# Allegro board mini_trx_layout.brd (continued)
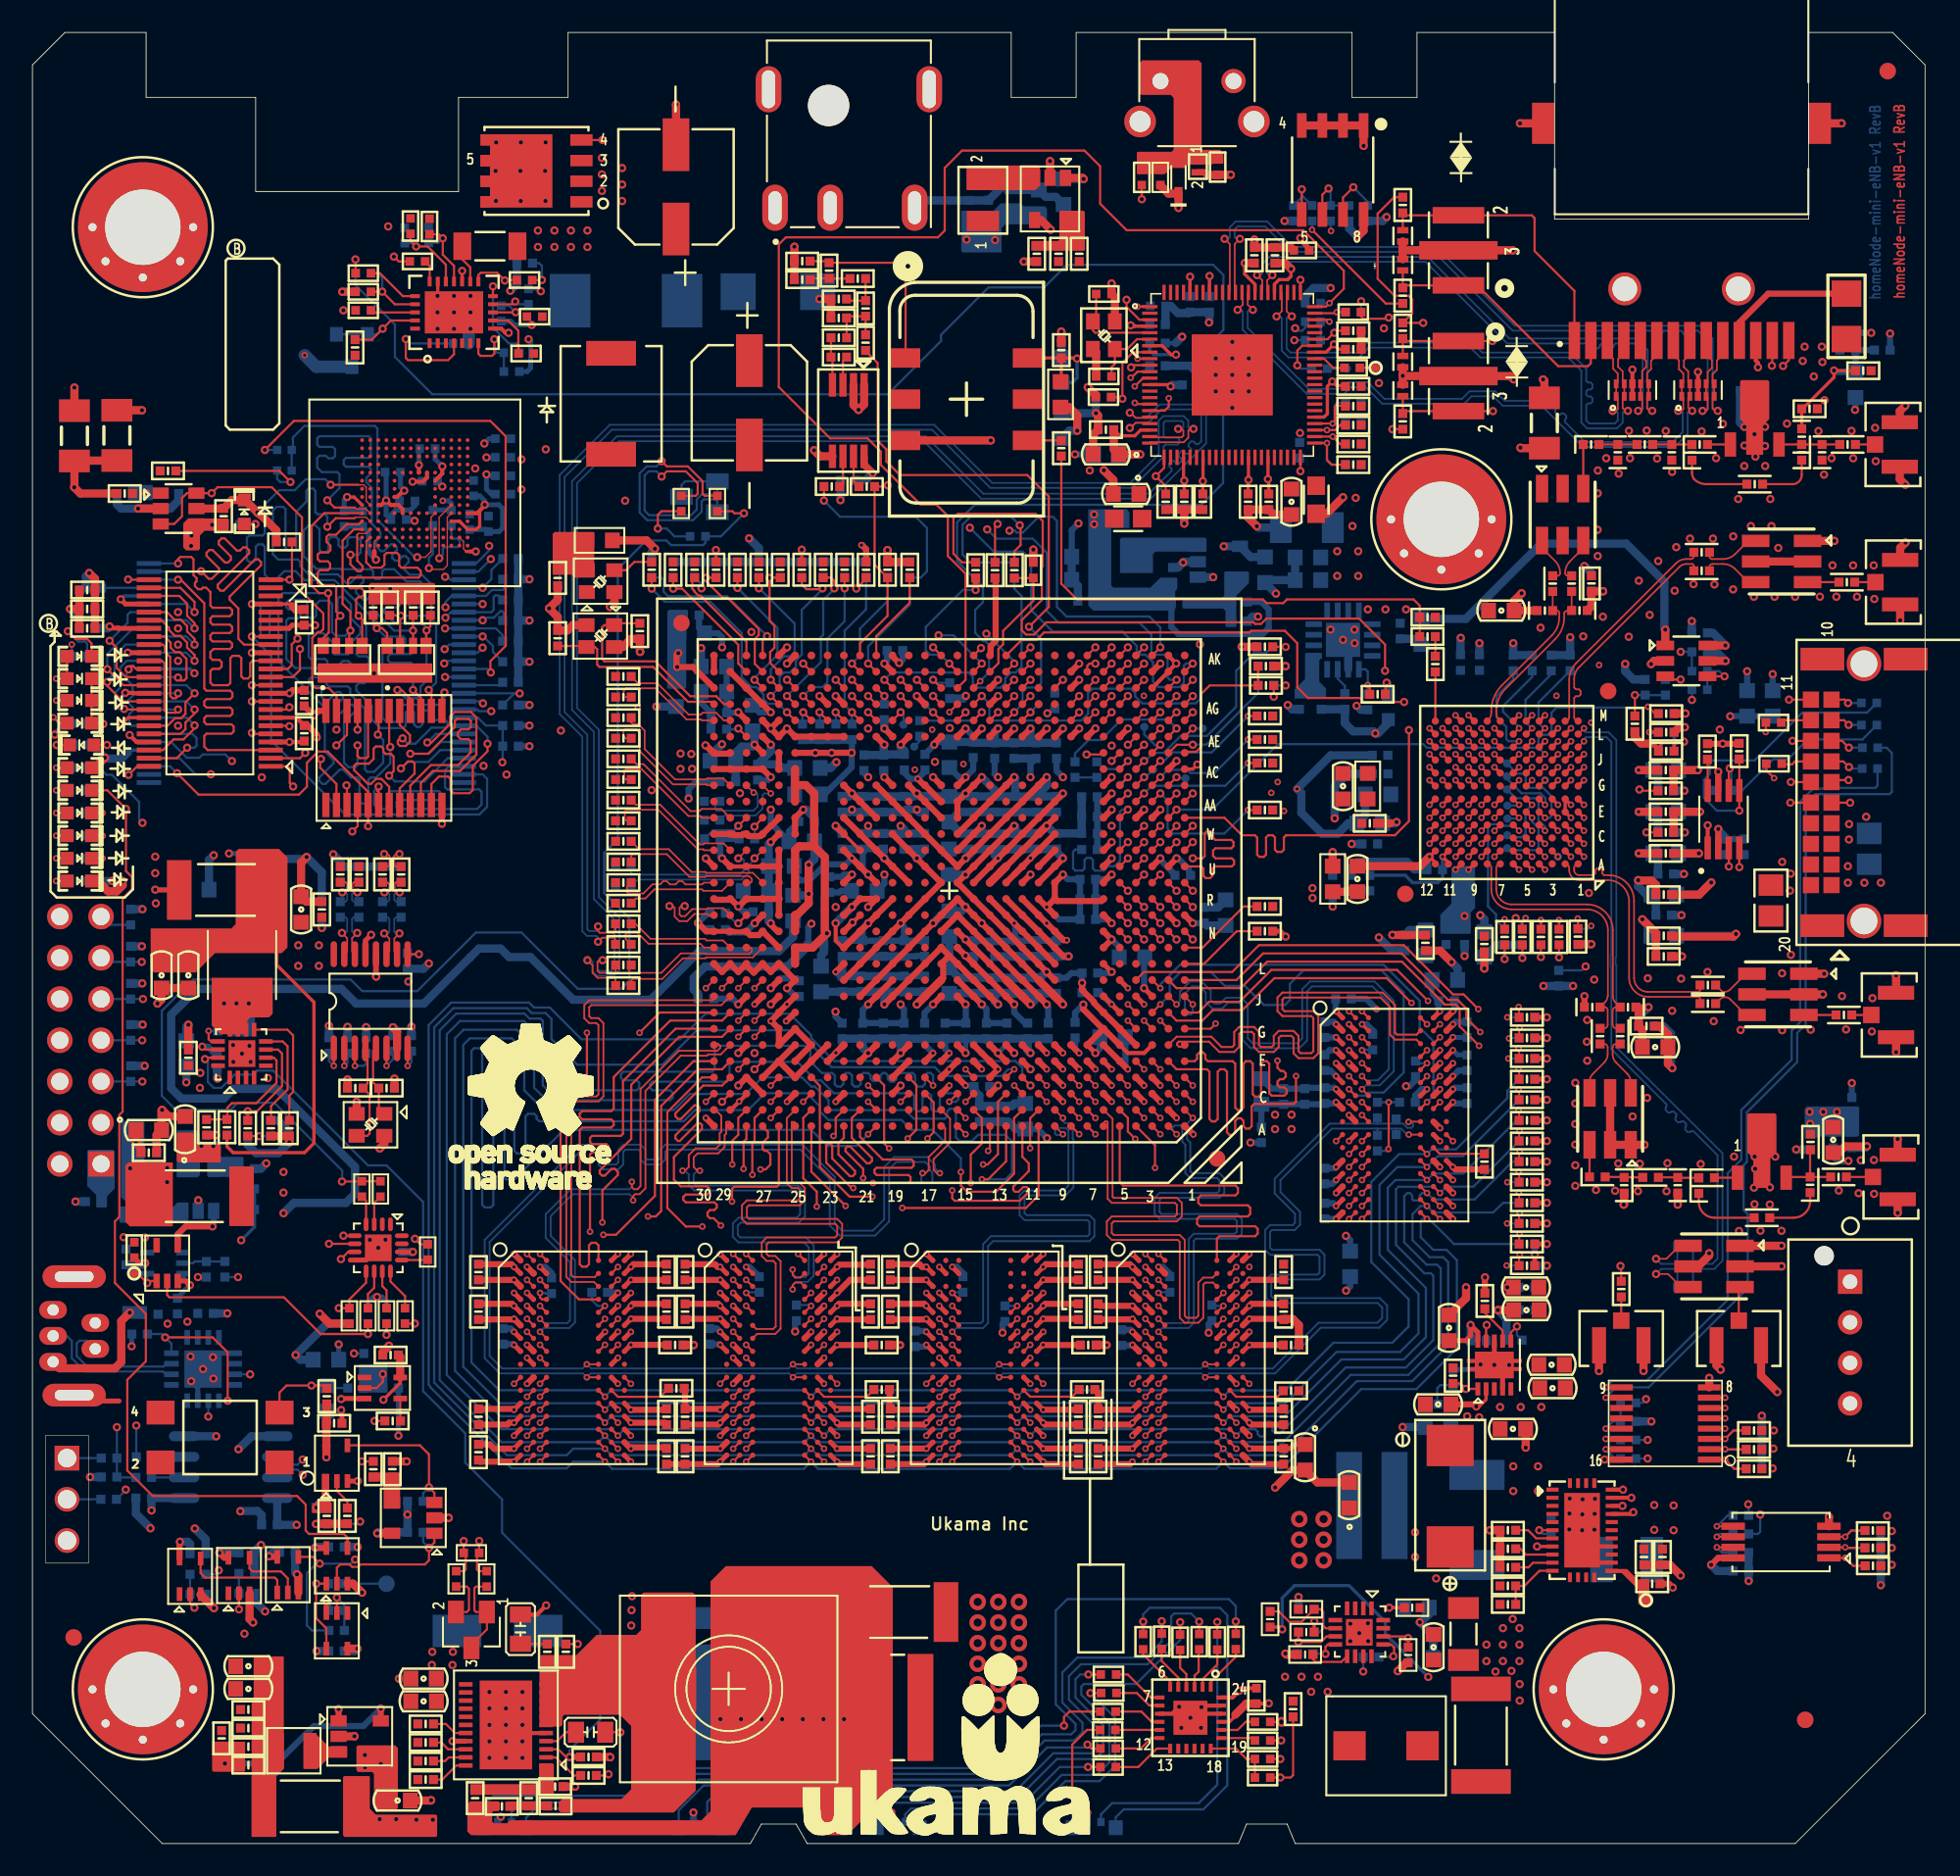
[diagram p0: board, top side]
## Nets (continued)
GND: C1.2(B[0]) C5.2(B[0]) C6.1 C19.2(B[0]) C25.2 C26.2 C27.2 C28.2 C29.2 C30.1 C31.1(A[0]) C37.2 C40.1 C41.2 C43.2 C48.2 C49.2 C52.2 C53.2 C54.2 C55.2 C57.2 C58.2 C59.2 C60.2 C61.2 C62.2 C63.2 C76.2 C77.2 C79.2 C80.2 C81.2 C82.2 C83.2 C84.2 C85.2 C86.2 C87.2 C88.2 C89.2 C90.2 C91.2 C92.2 C93.1 C94.1 C95.2 C96.2 C97.2 C98.2 C99.2 C100.2 C101.2 C102.2 C103.2 C104.2 C105.2 C106.2 C107.2 C108.2 C109.2 C110.2 C111.2 C112.2 C113.2 C114.2 C115.2 C116.1 C117.2 C118.2 C119.2 C120.2 C121.2 C122.2 C123.1 C124.2 C125.2 C126.2 C127.2 C128.2 C129.1 C130.1 C133.2 C134.2 C135.2 C136.2 C137.2 C138.2 C139.2 C141.2 C144.1 C145.1 C152.2 C154.2 C156.2 C157.2 C158.2 C159.2 C160.2 C163.2 C164.2 C165.2 C166.2 C167.2 C168.2 C169.2 C170.2 C171.2 C172.2 C176.2 C177.2 C178.2 C179.2 C181.2 C182.2 C200.2 C201.2 C203.2 C206.2 C209.1 C210.2 C211.2 C220.1 C225.2 C226.2 C231.2 C235.2 C238.2 C239.2 C241.2 C248.2 C249.2 C251.2 C252.2 C254.2 C257.2 C258.2 C259.2 C260.2 C261.2 C262.2 C263.2 C264.2 C266.2 C267.2 C268.2 C269.2 C270.2 C271.2 C272.2 C273.2 C274.2 C275.2 C276.2 C277.2 C278.2 C279.2 C280.2 C281.2 C282.2 C283.2 C286.2 C287.2 C288.2 C289.2 C290.2 C291.2 C292.2 C293.2 C294.2 C296.2 C297.2 C298.2 C299.2 C302.2 C303.2 C304.2 C305.2 C306.2 C307.2 C308.2 C309.2 C310.2 C311.2 C312.2 C313.2 C314.2 C315.2 C316.2 C317.2 C318.2 C319.2 C320.2 C321.2 C322.2 C323.2 C324.2 C325.2 C326.2 C327.2 C328.2 C329.2 C330.2 C331.2 C332.2 C333.2 C334.2 C335.2 C336.2 C337.2 C338.2 C339.2 C340.2 C341.2 C342.2 C343.2 C344.2 C345.2 C346.2 C347.2 C348.2 C349.2 C350.2 C351.2 C352.2 C353.2 C354.2 C355.2 C356.2 C357.2 C358.2 C359.2 C360.2 C361.2 C362.2 C363.2 C364.2 C365.2 C366.2 C367.2 C368.2 C369.2 C370.2 C371.2 C372.2 C373.2 C374.2 C375.2 C376.2 C377.2 C378.2 C379.2 C380.2 C381.2 C382.2 C383.2 C384.2 C385.2 C386.2 C387.2 C388.2 C389.2 C390.2 C391.2 C392.2 C393.2 C394.2 C395.2 C396.2 C397.2 C398.2 C399.1 C400.2 C401.2 C402.2 C403.2 C404.2 C405.2 C406.2 C407.2 C408.2 C409.1 C410.2 C411.2 C412.2 C413.2 C414.2 C415.2 C416.1 C417.2 C418.2 C420.2 C421.2 C424.2 C428.2 C429.2 C430.2 C431.2 C432.2 C433.2 C434.2 C435.2 C436.1 C437.2 C438.2 C439.2 C440.2 C444.2 C445.2 C446.2 C447.2 C448.2 C449.2 C450.2 C451.2 C452.2 C456.2 C457.2 C458.1 C459.1 C461.2 C462.1 C463.1 C464.2 C601.2 C602.2 C603.2 C604.2 C605.2 C606.1 C607.2 C608.2 C609.2 C610.2 C611.2 C612.2 C613.2 C614.1 C616.2 C617.2 C618.2 C619.2 C620.2 C621.2 C622.2 C623.2 C624.2 C625.2 C626.2 C627.2 C628.2 C629.2 C630.2 C631.2 C632.2 C633.2 C634.2 C635.2 C636.2 C637.2 C638.2 C639.2 C640.2 C641.2 C650.2 C651.1 C652.2 C657.2 C658.2 C659.2 D5.2 D28.2 H3.1 H3.3 H3.4 H3.5 H3.6 H3.7 H4.1 H4.3 H4.4 H4.5 H4.6 H4.7 J1.3 J1.4 J5.2 J5.4 J5.6 J5.8 J5.10 J7.5(GND) J7.SH1(CGND1) J7.SH2(CGND2) J8.3 J9.2 J9.3 J10.2 J10.3 J11.2 J11.3 J12.12(GND) J18.2 J18.3 J19.2 J19.3 J20.2 J20.3 J22.2 J22.3 J23.3 J23.4 J23.17 J23.18 LED2.2 LED3.2 LED6.2 LED10.2 Q34.3(E) R1.1 R62.1 R63.1 R70.1 R73.2 R74.1 R78.2 R87.2 R103.1 R116.1 R117.2 R122.1 R126.1 R128.1 R130.1 R132.1 R136.1 R138.1 R150.2 R151.1 R159.1 R162.1 R163.1 R164.1 R190.1 R197.1 R200.1 R203.2 R205.1 R207.1 R209.1 R214.1 R234.2 R235.1 R291.1 R294.1 R313.2 R317.1 R318.1 R324.1 R327.1 R332.1 R333.2 R334.1 R337.2 R339.1 R341.2 R342.1 R343.1 R344.1 R345.1 R353.2 R354.1 R355.2 R356.1 R365.2 R366.1 R368.2 R370.1 R374.2 R375.1 R379.1 R382.2 R383.2 R384.1 R387.1 R389.2 R391.1 R405.1 R406.2 R408.1 R418.1 R421.1 R433.2 R435.1 R440.1 R443.1 R444.2 R445.2 R449.1 R464.2 R465.2 R466.2 R468.2 R469.1 R475.2 R476.1 R546.1 R551.1 R553.1 R554.1 R560.1 R563.2 R586.2 R589.1 R591.1 R596.1 R600.1 R605.2 R609.1 R613.2 S1.1 S1.3 S1.4 SW1.2 U1.A1(GND106) U1.A30(GND107) U1.AA6(GND16) U1.AA10(GND17) U1.AA12(GND18) U1.AA14(GND19) U1.AA16(GND20) U1.AA18(GND21) U1.AA20(GND22) U1.AA22(GND23) U1.AA26(VSS_QLM1_12) U1.AA27(VSS_QLM1_13) U1.AA28(VSS_QLM1_14) U1.AA29(VSS_QLM1_15) U1.AA30(VSS_QLM1_16) U1.AB9(GND24) U1.AB11(GND25) U1.AB13(GND26) U1.AB15(GND27) U1.AB16(GND28) U1.AB17(GND29) U1.AB19(GND30) U1.AB21(GND31) U1.AB26(VSS_QLM1_17) U1.AC2(GND32) U1.AC6(GND33) U1.AC26(VSS_QLM1_18) U1.AC27(VSS_QLM1_19) U1.AC28(VSS_QLM1_20) U1.AC29(VSS_QLM1_21) U1.AC30(VSS_QLM1_22) U1.AD26(GND34) U1.AD29(THERMAL_D_N) U1.AD30(THERMAL_D_P) U1.AE6(GND35) U1.AE8(GND36) U1.AE10(GND37) U1.AE12(GND38) U1.AE14(GND39) U1.AE17(GND40) U1.AE19(GND41) U1.AE21(GND42) U1.AE22(GND43) U1.AE23(GND44) U1.AE24(GND45) U1.AE25(GND46) U1.AE26(GND47) U1.AF5(GND48) U1.AF17(GND49) U1.AF26(GND50) U1.AF27(GND51) U1.AG4(GND52) U1.AG13(GND53) U1.AG22(GND54) U1.AG27(GND55) U1.AH3(GND56) U1.AH28(GND57) U1.AH29(GND58) U1.AJ2(GND59) U1.AJ8(GND60) U1.AJ19(GND61) U1.AJ29(GND62) U1.AJ30(GND63) U1.AK2(GND64) U1.AK25(GND65) U1.AK30(GND66) U1.B2(GND108) U1.B29(GND109) U1.C3(GND110) U1.C28(GND111) U1.D4(GND112) U1.D6(GND113) U1.D9(GND114) U1.D13(GND115) U1.D16(GND116) U1.D19(GND117) U1.D22(GND118) U1.D25(GND119) U1.D27(GND120) U1.E5(GND121) U1.E7(GND122) U1.E9(GND123) U1.E11(GND124) U1.E13(GND125) U1.E15(GND126) U1.E18(GND127) U1.E20(GND128) U1.E22(GND129) U1.E24(GND130) U1.E26(GND131) U1.F4(GND132) U1.F6(GND133) U1.F8(GND134) U1.F10(GND135) U1.F12(GND136) U1.F14(GND137) U1.F16(GND138) U1.F17(GND139) U1.F19(GND140) U1.F21(GND141) U1.F23(GND142) U1.F25(GND143) U1.F27(GND144) U1.G5(GND145) U1.H6(GND146) U1.H25(GND147) U1.J4(GND148) U1.J5(GND149) U1.J10(GND150) U1.J12(GND151) U1.J14(GND152) U1.J15(GND153) U1.J16(GND154) U1.J18(GND155) U1.J20(GND156) U1.J22(GND157) U1.J26(GND158) U1.J27(GND159) U1.K6(GND160) U1.K9(GND161) U1.K11(GND162) U1.K13(GND163) U1.K15(GND164) U1.K17(GND165) U1.K19(GND166) U1.K21(GND167) U1.K25(GND168) U1.L10(GND169) U1.L12(GND170) U1.L14(GND171) U1.L18(GND172) U1.L20(GND173) U1.L22(GND174) U1.L26(VSS_QLM0_17) U1.L27(VSS_QLM0_16) U1.L28(VSS_QLM0_15) U1.L29(VSS_QLM0_14) U1.L30(VSS_QLM0_13) U1.M6(GND175) U1.M9(GND176) U1.M11(GND177) U1.M13(GND178) U1.M15(GND179) U1.M17(GND180) U1.M19(GND181) U1.M21(GND182) U1.M26(VSS_QLM0_12) U1.N6(GND183) U1.N10(GND184) U1.N12(GND185) U1.N14(GND186) U1.N16(GND187) U1.N18(GND188) U1.N20(GND189) U1.N22(GND190) U1.N27(VSS_QLM0_11) U1.N28(VSS_QLM0_10) U1.N29(VSS_QLM0_9) U1.N30(VSS_QLM0_8) U1.P2(GND67) U1.P9(GND68) U1.P11(GND69) U1.P13(GND70) U1.P15(GND71) U1.P17(GND72) U1.P19(GND73) U1.P21(GND74) U1.P26(VSS_QLM0_7) U1.R6(GND75) U1.R9(GND76) U1.R10(GND77) U1.R12(GND78) U1.R14(GND79) U1.R16(GND80) U1.R18(GND81) U1.R22(GND82) U1.R26(VSS_QLM0_6) U1.R27(VSS_QLM0_5) U1.R28(VSS_QLM0_4) U1.R29(VSS_QLM0_3) U1.R30(VSS_QLM0_2) U1.T9(GND83) U1.T13(GND84) U1.T15(GND85) U1.T17(GND86) U1.T19(GND87) U1.T21(GND88) U1.T22(GND89) U1.T26(VSS_QLM0_1) U1.U3(GND90) U1.U6(GND91) U1.U10(GND92) U1.U12(GND93) U1.U14(GND94) U1.U16(GND95) U1.U18(GND96) U1.U20(GND97) U1.U22(GND98) U1.U26(VSS_QLM1_1) U1.U27(VSS_QLM1_2) U1.U28(VSS_QLM1_3) U1.U29(VSS_QLM1_4) U1.U30(VSS_QLM1_5) U1.V9(GND99) U1.V11(GND100) U1.V13(GND101) U1.V15(GND102) U1.V17(GND103) U1.V19(GND104) U1.V21(GND105) U1.V26(VSS_QLM1_6) U1.W6(GND1) U1.W10(GND2) U1.W12(GND3) U1.W14(GND4) U1.W16(GND5) U1.W18(GND6) U1.W20(GND7) U1.W22(GND8) U1.W27(VSS_QLM1_7) U1.W28(VSS_QLM1_8) U1.W29(VSS_QLM1_9) U1.W30(VSS_QLM1_10) U1.Y4(GND9) U1.Y9(GND10) U1.Y11(GND11) U1.Y13(GND12) U1.Y17(GND13) U1.Y19(GND14) U1.Y21(GND15) U1.Y26(VSS_QLM1_11) U3.A4(RX2A_SA_LNA_IN) U3.A5(TX_MON2) U3.A6(VSSA#A6) U3.A12(TX_EXT_LO_IN) U3.B1(VSSA#B1) U3.B2(VSSA#B2) U3.B12(VSSA#B12) U3.C1(RX2C_P) U3.C2(VSSA#C2) U3.C4(TEST/ENABLE) U3.C7(VSSA#C7) U3.C8(VSSA#C8) U3.C9(VSSA#C9) U3.C10(VSSA#C10) U3.C11(VSSA#C11) U3.C12(VSSA#C12) U3.D1(RX2C_N) U3.D12(VSSD#D12) U3.E1(RX2B_P) U3.F1(RX2B_N) U3.F3(VSSA#F3) U3.F7(VSSD#F7) U3.F9(VSSD#F9) U3.F11(VSSD#F11) U3.G1(RX_EXT_LO_IN) U3.G10(FB_CLK_N) U3.G12(VSSD#G12) U3.H1(RX1B_P) U3.H2(VSSA#H2) U3.H3(VSSA#H3) U3.H6(VSSA#H6) U3.H7(VSSD#H7) U3.H9(TX_FRAME_N) U3.H10(VSSD#H10) U3.J1(RX1B_N) U3.J2(VSSA#J2) U3.K2(VSSA#K2) U3.K12(VSSD#K12) U3.L2(VSSA#L2) U3.L3(VSSA#L3) U3.L7(VSSA#L7) U3.L8(VSSA#L8) U3.L9(VSSA#L9) U3.L10(VSSA#L10) U3.L11(VSSA#L11) U3.L12(VSSA#L12) U3.M4(RX1_SA_LNA_IN) U3.M5(TX_MON1) U3.M6(VSSA#M6) U4.3(GND#3) U4.4(GND#4) U4.5(AGND) U4.17(PAD) U5.3(GND) U6.3(GND) U7.5(NC) U7.23(PAD) U8.17(SYNC/MODE) U8.19(AGND) U8.23(PGND1) U8.24(PGND2) U8.25(PGND3) U8.26(PGND4) U8.31(PAD) U10.2(GND) U11.A9(VSS1) U11.B1(VSSQ1) U11.B3(VSS2) U11.B9(VSSQ2) U11.D1(VSSQ3) U11.D8(VSSQ4) U11.E1(VSS3) U11.E2(VSSQ5) U11.E8(VSSQ6) U11.F9(VSSQ7) U11.G1(VSSQ8) U11.G8(VSS4) U11.G9(VSSQ9) U11.J2(VSS5) U11.J8(VSS6) U11.M1(VSS7) U11.M9(VSS8) U11.P1(VSS9) U11.P9(VSS10) U11.T1(VSS11) U11.T9(VSS12) U12.2(GND) U13.7(GNDX) U13.13(GNDA) U14.3(GND#3) U14.4(GND#4) U14.5(AGND) U14.17(PAD) U15.A9(VSS1) U15.B1(VSSQ1) U15.B3(VSS2) U15.B9(VSSQ2) U15.D1(VSSQ3) U15.D8(VSSQ4) U15.E1(VSS3) U15.E2(VSSQ5) U15.E8(VSSQ6) U15.F9(VSSQ7) U15.G1(VSSQ8) U15.G8(VSS4) U15.G9(VSSQ9) U15.J2(VSS5) U15.J8(VSS6) U15.M1(VSS7) U15.M9(VSS8) U15.P1(VSS9) U15.P9(VSS10) U15.T1(VSS11) U15.T9(VSS12) U16.3(GND) U17.3(GND) U18.3(GND) U19.4(GND) U20.8(GND) U22.4(GND#4) U22.10(GND#10) U22.15(GND#15) U22.21(GND#21) U22.28(GND#28) U22.34(GND#34) U22.39(GND#39) U22.45(GND#45) U23.A9(VSS1) U23.B1(VSSQ1) U23.B3(VSS2) U23.B9(VSSQ2) U23.D1(VSSQ3) U23.D8(VSSQ4) U23.E1(VSS3) U23.E2(VSSQ5) U23.E8(VSSQ6) U23.F9(VSSQ7) U23.G1(VSSQ8) U23.G8(VSS4) U23.G9(VSSQ9) U23.J2(VSS5) U23.J8(VSS6) U23.M1(VSS7) U23.M9(VSS8) U23.P1(VSS9) U23.P9(VSS10) U23.T1(VSS11) U23.T9(VSS12) U24.5(S1) U25.2(GND) U26.3(GND#3) U26.13(GND#13) U26.17(PAD) U27.12(GND) U28.8(GND) U28.17(PAD) U29.A6(VSS5) U29.C4(VSSQ1) U29.E7(VSS1) U29.G5(VSS2) U29.H10(VSS3) U29.J5(VSS6) U29.K8(VSS4) U29.N2(VSSQ2) U29.N5(VSSQ3) U29.P4(VSSQ4) U29.P6(VSSQ5) U30.A9(VSS1) U30.B1(VSSQ1) U30.B3(VSS2) U30.B9(VSSQ2) U30.D1(VSSQ3) U30.D8(VSSQ4) U30.E1(VSS3) U30.E2(VSSQ5) U30.E8(VSSQ6) U30.F9(VSSQ7) U30.G1(VSSQ8) U30.G8(VSS4) U30.G9(VSSQ9) U30.J2(VSS5) U30.J8(VSS6) U30.M1(VSS7) U30.M9(VSS8) U30.P1(VSS9) U30.P9(VSS10) U30.T1(VSS11) U30.T9(VSS12) U31.4(GND#4) U31.5(GND#5) U32.3(GND) U33.3(GND) U34.3(GND) U35.A9(VSS1) U35.B1(VSSQ1) U35.B3(VSS2) U35.B9(VSSQ2) U35.D1(VSSQ3) U35.D8(VSSQ4) U35.E1(VSS3) U35.E2(VSSQ5) U35.E8(VSSQ6) U35.F9(VSSQ7) U35.G1(VSSQ8) U35.G8(VSS4) U35.G9(VSSQ9) U35.J2(VSS5) U35.J8(VSS6) U35.M1(VSS7) U35.M9(VSS8) U35.P1(VSS9) U35.P9(VSS10) U35.T1(VSS11) U35.T9(VSS12) U38.3(GND) U39.1(GND#1) U39.2(GND#2) U39.5(GND#5) U40.1(GND#1) U40.2(GND#2) U40.5 U42.4(PGND) U42.8(GND) U42.EP1(PAD) U43.1(GND#1) U43.2(GND#2) U43.5(GND#5) U44.8(GND) U57.3(GND) U63.2(GND) U64.33(GND33) U64.52(GND52) U65.6(GND) U65.17(PAD) U66.1(GND#1) U66.2(GND#2) U66.5(GND#5) U67.1(GND#1) U67.2(GND#2) U67.5(GND#5) U69.2(GND) U70.2(GND) U71.2(GND) U83.2(GND) U242.9(GND) U242.22(A0) U242.23(A1) U242.24(A2) U242.25(EGND) U243.89(EPAD) U245.2(GND) U246.5(CL) U246.6(CB) U246.8(RETRY#) U246.18(GND) U246.25(EPAD) U250.1(A0) U250.2(A1) U250.3(A2) U250.4(VSS) U252.3(GND#3) U252.8(GND#8) U253.3(GND#3) U253.8(GND#8) U254.1(GND) Y2.2 Y2.4 Y3.2 Y3.4 Y4.2 Y4.4 Z1.2(ANODE)
VDD_CORE: C637.1 C638.1 C639.1 C640.1 C641.1 FB20.1 U243.10(VDD_CORE#10) U243.23(VDD_CORE#23) U243.44(VDD_CORE#44) U243.61(VDD_CORE#61)
VDD_GPO: C414.1 C424.1 L33.2 U3.B8(VDD_GPO)
VDDA_1V3_BB: C429.1 C430.1 L38.2 U3.K4(VDDA1P3_BB)
VDDA_1V3_RX_LO: C435.1 C440.1 L39.2 U3.E2(VDDA1P3_RX_LO) U3.F2(VDDA1P3_RX_VCO_LDO)
VDDA_1V3_RX_SYNTH: C160.1 C164.1 L14.2 U3.J3(VDDA1P3_RX_SYNTH)
VDDA_1V3_RX_TX: C156.1 C163.1 L15.2 U3.D2(VDDA1P3_RX_RF) U3.D3(VDDA1P3_RX_TX) U3.E3(VDDA1P3_TX_LO_BUFFER)
VDDA_1V3_TX_LO: C412.1 C413.1 L32.2 U3.B9(VDDA1P3_TX_LO) U3.B10(VDDA1P3_TX_VOC_LDO)
VDDA_1V3_TX_SYNTH: C434.1 C448.1 L41.2 U3.K3(VDDA1P3_TX_SYNTH)
VDDD_1V3_DIG: C398.1 C401.1 L31.2 U3.F12(VDDD1P3_DIG)
1P5: C600.1 C602.1 C603.1 C604.1 C605.1 FB18.2 L48.1 R545.1
7130_BOOT_AD0: U1.AF1(BOOT_AD0) U27.4(A3)
7130_BOOT_AD1: U1.AF2(BOOT_AD1) U27.5(A4) U64.31(A0)
7130_BOOT_AD2: U1.AE3(BOOT_AD2) U27.6(A5) U64.26(A1)
7130_BOOT_AD3: U1.AG1(BOOT_AD3) U27.7(A6) U64.25(A2)
7130_BOOT_AD4: U1.AH1(BOOT_AD4) U27.8(A7) U64.24(A3)
7130_BOOT_AD5: U1.AG2(BOOT_AD5) U27.9(A8) U64.23(A4)
7130_BOOT_AD6: U1.AF3(BOOT_AD6) U27.10(A9) U64.22(A5)
7130_BOOT_AD7: U1.AE4(BOOT_AD7) U27.11(A10) U64.21(A6)
7130_BOOT_AD8: R433.1 R434.1 U1.AD5(BOOT_AD8) U64.20(A7)
7130_BOOT_AD9: R430.1 U1.AJ1(BOOT_AD9) U64.10(A8)
7130_BOOT_AD10: R425.1 U1.AH2(BOOT_AD10) U64.9(A9)
7130_BOOT_AD11: R429.1 U1.AG3(BOOT_AD11) U64.8(A10)
7130_BOOT_AD12: R428.1 U1.AF4(BOOT_AD12) U64.7(A11)
7130_BOOT_AD13: U1.AD6(BOOT_AD13) U64.6(A12)
7130_BOOT_AD14: R427.1 U1.AH4(BOOT_AD14) U64.5(A13)
7130_BOOT_AD15: R426.1 U1.AK3(BOOT_AD15) U64.4(A14)
7130_BOOT_AD16: U1.AG5(BOOT_AD16) U22.47(1D1) U64.35(DQ0)
7130_BOOT_AD17: U1.AJ4(BOOT_AD17) U22.46(1D2) U64.37(DQ1)
7130_BOOT_AD18: U1.AF6(BOOT_AD18) U22.44(1D3) U64.39(DQ2)
7130_BOOT_AD19: U1.AH5(BOOT_AD19) U22.43(1D4) U64.41(DQ3)
7130_BOOT_AD20: U1.AK4(BOOT_AD20) U22.41(1D5) U64.44(DQ4)
7130_BOOT_AD21: U1.AG6(BOOT_AD21) U22.40(1D6) U64.46(DQ5)
7130_BOOT_AD22: U1.AJ5(BOOT_AD22) U22.38(1D7) U64.48(DQ6)
7130_BOOT_AD23: U1.AH6(BOOT_AD23) U22.37(1D8) U64.50(DQ7)
7130_BOOT_AD24: U1.AF7(BOOT_AD24) U22.36(2D1) U64.36(DQ8)
7130_BOOT_AD25: U1.AK5(BOOT_AD25) U22.35(2D2) U64.38(DQ9)
7130_BOOT_AD26: U1.AJ6(BOOT_AD26) U22.33(2D3) U64.40(DQ10)
7130_BOOT_AD27: U1.AG7(BOOT_AD27) U22.32(2D4) U64.42(DQ11)
7130_BOOT_AD28: U1.AK6(BOOT_AD28) U22.30(2D5) U64.45(DQ12)
7130_BOOT_AD29: U1.AH7(BOOT_AD29) U22.29(2D6) U64.47(DQ13)
7130_BOOT_AD30: U1.AF8(BOOT_AD30) U22.27(2D7) U64.49(DQ14)
7130_BOOT_AD31: U1.AJ7(BOOT_AD31) U22.26(2D8) U64.51(DQ15)
7130_BOOT_ALE: U1.AK11(BOOT_ALE) U22.25(2LE) U22.48(1LE)
7130_BOOT_CE0: U1.AG8(BOOT_CE_0_L) U64.32(CE#)
7130_BOOT_CE1: U1.AK7(BOOT_CE_1_L) U27.2(A1)
7130_BOOT_CE5: R417.1 U27.3(A2)
7130_BOOT_OE: U1.AJ11(BOOT_OE_L) U64.34(OE#)
7130_BOOT_WAIT: R432.1 U1.AH11(BOOT_WAIT_L) U64.17(RY/BY#)
7130_BOOT_WE: U1.AG11(BOOT_WE_L) U64.13(WE#)
7130_CE: U1.AJ9(BOOT_CE_6_L/SPI_CS0_L)
7130_CORE_PLL_VDD33: C259.1 C261.1 L22.1 U1.AD27(CORE_PLL_VDD33)
7130_DDR3_A0: R221.1 U1.D20(DDR_A0) U11.N3(A0) U15.N3(A0) U23.N3(A0) U30.N3(A0) U35.N3(A0)
7130_DDR3_A1: R459.1 U1.D17(DDR_A1) U11.P7(A1) U15.P7(A1) U23.P7(A1) U30.P7(A1) U35.P7(A1)
7130_DDR3_A2: R220.1 U1.D18(DDR_A2) U11.P3(A2) U15.P3(A2) U23.P3(A2) U30.P3(A2) U35.P3(A2)
7130_DDR3_A3: R224.1 U1.D14(DDR_A3) U11.N2(A3) U15.N2(A3) U23.N2(A3) U30.N2(A3) U35.N2(A3)
7130_DDR3_A4: R458.1 U1.C15(DDR_A4) U11.P8(A4) U15.P8(A4) U23.P8(A4) U30.P8(A4) U35.P8(A4)
7130_DDR3_A5: R460.1 U1.B15(DDR_A5) U11.P2(A5) U15.P2(A5) U23.P2(A5) U30.P2(A5) U35.P2(A5)
7130_DDR3_A6: R219.1 U1.C14(DDR_A6) U11.R8(A6) U15.R8(A6) U23.R8(A6) U30.R8(A6) U35.R8(A6)
7130_DDR3_A7: R462.1 U1.B14(DDR_A7) U11.R2(A7) U15.R2(A7) U23.R2(A7) U30.R2(A7) U35.R2(A7)
7130_DDR3_A8: R217.1 U1.A15(DDR_A8) U11.T8(A8) U15.T8(A8) U23.T8(A8) U30.T8(A8) U35.T8(A8)
7130_DDR3_A9: R218.1 U1.C12(DDR_A9) U11.R3(A9) U15.R3(A9) U23.R3(A9) U30.R3(A9) U35.R3(A9)
7130_DDR3_A10: R455.1 U1.A20(DDR_A10) U11.L7(A10/AP) U15.L7(A10/AP) U23.L7(A10/AP) U30.L7(A10/AP) U35.L7(A10/AP)
7130_DDR3_A11: R461.1 U1.D12(DDR_A11) U11.R7(A11) U15.R7(A11) U23.R7(A11) U30.R7(A11) U35.R7(A11)
7130_DDR3_A12: R457.1 U1.A12(DDR_A12) U11.N7(A12/B\C\) U15.N7(A12/B\C\) U23.N7(A12/B\C\) U30.N7(A12/B\C\) U35.N7(A12/B\C\)
7130_DDR3_A13: R216.1 U1.B22(DDR_A13) U11.T3(A13) U15.T3(A13) U23.T3(A13) U30.T3(A13) U35.T3(A13)
7130_DDR3_A14: R463.1 U1.D11(DDR_A14) U11.T7(A14_RFU) U15.T7(A14_RFU) U23.T7(A14_RFU) U30.T7(A14_RFU) U35.T7(A14_RFU)
7130_DDR3_A15: R456.1 U1.B11(DDR_A15) U11.M7(A15_RFU) U15.M7(A15_RFU) U23.M7(A15_RFU) U30.M7(A15_RFU) U35.M7(A15_RFU)
7130_DDR3_BA0: R454.1 U1.B20(DDR_BA0) U11.M2(BA0) U15.M2(BA0) U23.M2(BA0) U30.M2(BA0) U35.M2(BA0)
7130_DDR3_BA1: R222.1 U1.C20(DDR_BA1) U11.N8(BA1) U15.N8(BA1) U23.N8(BA1) U30.N8(BA1) U35.N8(BA1)
7130_DDR3_BA2: R223.1 U1.A11(DDR_BA2) U11.M3(BA2) U15.M3(BA2) U23.M3(BA2) U30.M3(BA2) U35.M3(BA2)
7130_DDR3_CAS: R226.1 U1.A22(DDR_CAS#) U11.K3(CAS#) U15.K3(CAS#) U23.K3(CAS#) U30.K3(CAS#) U35.K3(CAS#)
7130_DDR3_CB0: U1.B8(DDR_CB0) U23.H7(DQL7)
7130_DDR3_CB1: U1.A8(DDR_CB1) U23.F7(DQL1)
7130_DDR3_CB2: U1.C8(DDR_CB2) U23.H8(DQL5)
7130_DDR3_CB3: U1.D8(DDR_CB3) U23.F8(DQL3)
7130_DDR3_CB4: U1.B10(DDR_CB4) U23.H3(DQL4)
7130_DDR3_CB5: U1.A10(DDR_CB5) U23.E3(DQL0)
7130_DDR3_CB6: U1.D10(DDR_CB6) U23.G2(DQL6)
7130_DDR3_CB7: U1.C10(DDR_CB7) U23.F2(DQL2)
7130_DDR3_CBS0N: U1.B9(DDR_CBS0N) U23.G3(DQSL#)
7130_DDR3_CBS0P: U1.A9(DDR_CBS0P) U23.F3(DQSL)
7130_DDR3_CKE0: R452.1 U1.A13(DDR_DIMM0_CKE0) U11.K9(CKE) U15.K9(CKE) U23.K9(CKE) U30.K9(CKE) U35.K9(CKE)
7130_DDR3_CLK0N: C419.2 R442.1 U1.B16(DDR_CK0N) U11.K7(CK#) U15.K7(CK#) U23.K7(CK#) U30.K7(CK#) U35.K7(CK#)
7130_DDR3_CLK0P: C419.1 R441.1 U1.A16(DDR_CK0P) U11.J7(CK) U15.J7(CK) U23.J7(CK) U30.J7(CK) U35.J7(CK)
7130_DDR3_CS0: R453.1 U1.C18(DDR_DIMM0_CS0_L) U11.L2(CS#) U15.L2(CS#) U23.L2(CS#) U30.L2(CS#) U35.L2(CS#)
7130_DDR3_DQ0: U1.K1(DDR_DQ0) U35.H8(DQL5)
7130_DDR3_DQ1: U1.K2(DDR_DQ1) U35.F7(DQL1)
7130_DDR3_DQ2: U1.K3(DDR_DQ2) U35.H7(DQL7)
7130_DDR3_DQ3: U1.K4(DDR_DQ3) U35.F8(DQL3)
7130_DDR3_DQ4: U1.H1(DDR_DQ4) U35.H3(DQL4)
7130_DDR3_DQ5: U1.H2(DDR_DQ5) U35.E3(DQL0)
7130_DDR3_DQ6: U1.H3(DDR_DQ6) U35.G2(DQL6)
7130_DDR3_DQ7: U1.H4(DDR_DQ7) U35.F2(DQL2)
7130_DDR3_DQ8: U1.G1(DDR_DQ8) U35.D7(DQU0)
7130_DDR3_DQ9: U1.G2(DDR_DQ9) U35.B8(DQU6)
7130_DDR3_DQ10: U1.G3(DDR_DQ10) U35.C8(DQU2)
7130_DDR3_DQ11: U1.G4(DDR_DQ11) U35.A7(DQU4)
7130_DDR3_DQ12: U1.E1(DDR_DQ12) U35.A3(DQU7)
7130_DDR3_DQ13: U1.E2(DDR_DQ13) U35.C2(DQU3)
7130_DDR3_DQ14: U1.E4(DDR_DQ14) U35.C3(DQU1)
7130_DDR3_DQ15: U1.E3(DDR_DQ15) U35.A2(DQU5)
7130_DDR3_DQ16: U1.D1(DDR_DQ16) U30.H8(DQL5)
7130_DDR3_DQ17: U1.D2(DDR_DQ17) U30.F7(DQL1)
7130_DDR3_DQ18: U1.C2(DDR_DQ18) U30.H7(DQL7)
7130_DDR3_DQ19: U1.C1(DDR_DQ19) U30.F8(DQL3)
7130_DDR3_DQ20: U1.A3(DDR_DQ20) U30.H3(DQL4)
7130_DDR3_DQ21: U1.B3(DDR_DQ21) U30.E3(DQL0)
7130_DDR3_DQ22: U1.A4(DDR_DQ22) U30.G2(DQL6)
7130_DDR3_DQ23: U1.B4(DDR_DQ23) U30.F2(DQL2)
7130_DDR3_DQ24: U1.B5(DDR_DQ24) U30.D7(DQU0)
7130_DDR3_DQ25: U1.A5(DDR_DQ25) U30.A7(DQU4)
7130_DDR3_DQ26: U1.C5(DDR_DQ26) U30.C8(DQU2)
7130_DDR3_DQ27: U1.D5(DDR_DQ27) U30.B8(DQU6)
7130_DDR3_DQ28: U1.B7(DDR_DQ28) U30.C3(DQU1)
7130_DDR3_DQ29: U1.A7(DDR_DQ29) U30.A2(DQU5)
7130_DDR3_DQ30: U1.C7(DDR_DQ30) U30.A3(DQU7)
7130_DDR3_DQ31: U1.D7(DDR_DQ31) U30.C2(DQU3)
7130_DDR3_DQ32: U1.B24(DDR_DQ32) U15.H7(DQL7)
7130_DDR3_DQ33: U1.A24(DDR_DQ33) U15.F7(DQL1)
7130_DDR3_DQ34: U1.D24(DDR_DQ34) U15.H8(DQL5)
7130_DDR3_DQ35: U1.C24(DDR_DQ35) U15.F8(DQL3)
7130_DDR3_DQ36: U1.B26(DDR_DQ36) U15.E3(DQL0)
7130_DDR3_DQ37: U1.A26(DDR_DQ37) U15.H3(DQL4)
7130_DDR3_DQ38: U1.D26(DDR_DQ38) U15.G2(DQL6)
7130_DDR3_DQ39: U1.C26(DDR_DQ39) U15.F2(DQL2)
7130_DDR3_DQ40: U1.B28(DDR_DQ40) U15.D7(DQU0)
7130_DDR3_DQ41: U1.A28(DDR_DQ41) U15.A7(DQU4)
7130_DDR3_DQ42: U1.B27(DDR_DQ42) U15.C8(DQU2)
7130_DDR3_DQ43: U1.A27(DDR_DQ43) U15.B8(DQU6)
7130_DDR3_DQ44: U1.D30(DDR_DQ44) U15.C2(DQU3)
7130_DDR3_DQ45: U1.D29(DDR_DQ45) U15.C3(DQU1)
7130_DDR3_DQ46: U1.C30(DDR_DQ46) U15.A2(DQU5)
7130_DDR3_DQ47: U1.C29(DDR_DQ47) U15.A3(DQU7)
7130_DDR3_DQ48: U1.E30(DDR_DQ48) U11.E3(DQL0)
7130_DDR3_DQ49: U1.E29(DDR_DQ49) U11.F7(DQL1)
7130_DDR3_DQ50: U1.E28(DDR_DQ50) U11.H8(DQL5)
7130_DDR3_DQ51: U1.E27(DDR_DQ51) U11.F8(DQL3)
7130_DDR3_DQ52: U1.G30(DDR_DQ52) U11.H3(DQL4)
7130_DDR3_DQ53: U1.G29(DDR_DQ53) U11.F2(DQL2)
7130_DDR3_DQ54: U1.G28(DDR_DQ54) U11.G2(DQL6)
7130_DDR3_DQ55: U1.G27(DDR_DQ55) U11.H7(DQL7)
7130_DDR3_DQ56: U1.H30(DDR_DQ56) U11.D7(DQU0)
7130_DDR3_DQ57: U1.H29(DDR_DQ57) U11.A7(DQU4)
7130_DDR3_DQ58: U1.H28(DDR_DQ58) U11.C8(DQU2)
7130_DDR3_DQ59: U1.H27(DDR_DQ59) U11.B8(DQU6)
7130_DDR3_DQ60: U1.K30(DDR_DQ60) U11.C2(DQU3)
7130_DDR3_DQ61: U1.K29(DDR_DQ61) U11.A2(DQU5)
7130_DDR3_DQ62: U1.K28(DDR_DQ62) U11.A3(DQU7)
7130_DDR3_DQ63: U1.K27(DDR_DQ63) U11.C3(DQU1)
7130_DDR3_DQS0N: U1.J2(DDR_DQS0N) U35.G3(DQSL#)
7130_DDR3_DQS0P: U1.J1(DDR_DQS0P) U35.F3(DQSL)
7130_DDR3_DQS1N: U1.F2(DDR_DQS1N) U35.B7(DQSU#)
7130_DDR3_DQS1P: U1.F1(DDR_DQS1P) U35.C7(DQSU)
7130_DDR3_DQS2N: U1.B1(DDR_DQS2N) U30.G3(DQSL#)
7130_DDR3_DQS2P: U1.A2(DDR_DQS2P) U30.F3(DQSL)
7130_DDR3_DQS3N: U1.B6(DDR_DQS3N) U30.B7(DQSU#)
7130_DDR3_DQS3P: U1.A6(DDR_DQS3P) U30.C7(DQSU)
7130_DDR3_DQS4N: U1.A25(DDR_DQS4N) U15.G3(DQSL#)
7130_DDR3_DQS4P: U1.B25(DDR_DQS4P) U15.F3(DQSL)
7130_DDR3_DQS5N: U1.B30(DDR_DQS5N) U15.B7(DQSU#)
7130_DDR3_DQS5P: U1.A29(DDR_DQS5P) U15.C7(DQSU)
7130_DDR3_DQS6N: U1.F29(DDR_DQS6N) U11.G3(DQSL#)
7130_DDR3_DQS6P: U1.F30(DDR_DQS6P) U11.F3(DQSL)
7130_DDR3_DQS7N: U1.J29(DDR_DQS7N) U11.B7(DQSU#)
7130_DDR3_DQS7P: U1.J30(DDR_DQS7P) U11.C7(DQSU)
7130_DDR3_ODT0: R228.1 U1.C17(DDR_DIMM0_ODT0) U11.K1(ODT) U15.K1(ODT) U23.K1(ODT) U30.K1(ODT) U35.K1(ODT)
7130_DDR3_RAS: R227.1 U1.A21(DDR_RAS#) U11.J3(RAS#) U15.J3(RAS#) U23.J3(RAS#) U30.J3(RAS#) U35.J3(RAS#)
7130_DDR3_RESET: R464.1 U1.C11(DDR_RESET_L) U11.T2(RESET#) U15.T2(RESET#) U23.T2(RESET#) U30.T2(RESET#) U35.T2(RESET#)
7130_DDR3_VREF: C338.1 C345.1 R406.1 R407.2 U1.D15(DDR_VREF)
7130_DDR3_WE: R225.1 U1.B21(DDR_WE#) U11.L3(WE#) U15.L3(WE#) U23.L3(WE#) U30.L3(WE#) U35.L3(WE#)
7130_DDR3PLL: C257.1 C258.1 L21.1 U1.AF28(DDR_PLL_VDD33)
7130_DSP_JTAG_TCK: R198.2 U1.AC3(DSP_JTAG_TCK)
7130_DSP_JTAG_TDI: R196.2 U1.AA4(DSP_JTAG_TDI)
7130_DSP_JTAG_TDO: R415.2 U1.Y5(DSP_JTAG_TDO)
7130_DSP_JTAG_TMS: R194.2 U1.AA3(DSP_JTAG_TMS)
7130_DSP_JTAG_TRST: R197.2 U1.AB3(DSP_JTAG_TRST)
7130_EJTAG_TDO: J5.5 R346.2 U1.AG21(EJTG_TDO)
7130_EJTAG_TRST_L: J5.1 R387.2 U1.AH22(EJTG_TRST_L)
7130_GPIO0: LED9.2 U1.AG12(GPIO0)
7130_GPIO8: R2N2.1(A[0]) R166.1 U1.AK14(GPIO8)
7130_HOT: R167.2 R173.2 TP30.1(PAD) U1.AH12(GPIO1)
7130_I2C0_EEPROM_WP: R382.1 R401.2 U19.7(WP)
7130_JTAG_TCK: J5.9 R329.2 U1.AG20(JTG_TCK)
7130_JTAG_TDI: J5.3 U1.AH21(JTG_TDI)
7130_JTAG_TMS: J5.7 R335.2 U1.AF20(JTG_TMS)
7130_LATCH_A16: U22.2(1Q1) U64.3(A15)
7130_LATCH_A17: U22.3(1Q2) U64.54(A16)
7130_LATCH_A18: U22.5(1Q3) U64.19(A17)
7130_LATCH_A19: U22.6(1Q4) U64.18(A18)
7130_LATCH_A20: U22.8(1Q5) U64.11(A19)
7130_LATCH_A21: U22.9(1Q6) U64.12(A20)
7130_LATCH_A22: U22.11(1Q7) U64.15(A21)
7130_LATCH_A23: U22.12(1Q8) U64.2(A22)
7130_LATCH_A24: U22.13(2Q1) U64.1(A23)
7130_LATCH_A25: U22.14(2Q2) U64.56(A24)
7130_LATCH_A26: U22.16(2Q3) U64.55(A25)
7130_LATCH_A27: U22.17(2Q4) U64.27(A26)
7130_LATCH_A28: U22.19(2Q5)
7130_LATCH_A29: U22.20(2Q6)
7130_LATCH_A30: U22.22(2Q7)
7130_LATCH_A31: U22.23(2Q8)
7130_MDC1: TP36.1(PAD) U1.AE1(SMI1_MDC)
7130_MDIO1: TP34.1(PAD) U1.AD3(SMI1_MDIO)
7130_MISO: U1.AH23(UART0_DCD_L/SPI_DI)
7130_MOSI: U1.AK24(UART0_DTR_L/SPI_DO)
7130_MSC_CLKOUT_EN: R397.2 U1.AH16(MSC_CLKOUT_ENABLE)
7130_PCIE_BOOT: R369.2 U1.AF24(REMOTE_BOOT)
7130_PCIE_MODE: R134.2 R365.1 U1.AJ26(PCIE0_HOST_MODE)
7130_PCIE_RST: R414.2 R416.2
7130_PHY_PLL_VDD33: C263.1 C273.1 L25.1 U1.AE27(PHY_PLL_VDD33)
7130_PHY_PWM: R240.1 U1.AF12(PHY_PWM_OUT)
7130_PLL_MUL0: R386.2 R389.1 U1.AF21(PLL_MUL_0)
7130_PLL_MUL1: R147.2 R383.1 U1.AG24(PLL_MUL_1)
7130_PLL_MUL2: R150.1 R381.2 U1.AF22(PLL_MUL_2)
7130_PLL_MUL3: R142.2 R374.1 U1.AG25(PLL_MUL_3)
7130_PLL_MUL4: R337.1 R373.2 U1.AF23(PLL_MUL_4)
7130_PLL_REFCLK50: R124.2 U1.AF25(PLL_REF_CLK)
7130_QLM0_REFCLKN: C245.2 U1.P30(QLM0_REF_CLK_N)
7130_QLM0_REFCLKP: C246.2 U1.P29(QLM0_REF_CLK_P)
7130_QLM0_RXN0: C65.1 U243.19(P5_TXN)
7130_QLM0_RXN1: C70.1
7130_QLM0_RXP0: C64.1 U243.18(P5_TXP)
7130_QLM0_RXP1: C71.1
7130_QLM0_TXN0: C66.2 U243.22(P5_RXN)
7130_QLM0_TXN1: C69.2
7130_QLM0_TXP0: C67.2 U243.21(P5_RXP)
7130_QLM0_TXP1: C68.2
7130_QLM1_RXN0: C243.2 U1.V28(QLM1_RXN0)
7130_QLM1_RXN1: C255.2 U1.AB28(QLM1_RXN1)
7130_QLM1_RXP0: C244.2 U1.V27(QLM1_RXP0)
7130_QLM1_RXP1: C256.2 U1.AB27(QLM1_RXP1)
7130_QLM1_TXN0: C72.1 U1.V30(QLM1_TXN0)
7130_QLM1_TXN1: C74.1 U1.AB30(QLM1_TXN1)
7130_QLM1_TXP0: C73.1 U1.V29(QLM1_TXP0)
7130_QLM1_TXP1: C75.1 U1.AB29(QLM1_TXP1)
7130_RESET_SW_L: J5.11 R325.2 U1.AJ12(GPIO2)
7130_RF2_D0: U1.U1(RF2_DIQ0) U3.K11(P1_D0/RX_D0_N)
7130_RF2_D1: U1.U4(RF2_DIQ1) U3.J12(P1_D1/RX_D0_P)
7130_RF2_D2: U1.U5(RF2_DIQ2) U3.K10(P1_D2/RX_D1_N)
7130_RF2_D3: U1.V1(RF2_DIQ3) U3.J11(P1_D3/RX_D1_P)
7130_RF2_D4: U1.V2(RF2_DIQ4) U3.K9(P1_D4/RX_D2_N)
7130_RF2_D5: U1.V3(RF2_DIQ5) U3.J10(P1_D5/RX_D2_P)
7130_RF2_D6: U1.V4(RF2_DIQ6) U3.K8(P1_D6/RX_D3_N)
7130_RF2_D7: U1.V5(RF2_DIQ7) U3.J9(P1_D7/RX_D3_P)
7130_RF2_D8: U1.W1(RF2_DIQ8) U3.K7(P1_D8/RX_D4_N)
7130_RF2_D9: U1.W2(RF2_DIQ9) U3.J8(P1_D9/RX_D4_P)
7130_RF2_D10: U1.W3(RF2_DIQ10) U3.J7(P1_D10/RX_D5_N)
7130_RF2_D11: U1.W4(RF2_DIQ11) U3.H8(P1D11/RX_D5_P)
7130_RF_D0: U1.R1(RF_DIQ0) U3.E12(P0_D0/TX_D0_N)
7130_RF_D1: U1.R2(RF_DIQ1) U3.D11(P0_D1/TX_D0_P)
7130_RF_D2: U1.R3(RF_DIQ2) U3.E11(P0_D2/TX_D1_N)
7130_RF_D3: U1.R4(RF_DIQ3) U3.D10(P0_D3/TX_D1_P)
7130_RF_D4: U1.P3(RF_DIQ4) U3.E10(P0_D4/TX_D2_N)
7130_RF_D5: U1.P4(RF_DIQ5) U3.D9(P0_D5/TX_D2_P)
7130_RF_D6: U1.P5(RF_DIQ6) U3.E9(P0_D6/TX_D3_N)
7130_RF_D7: U1.N1(RF_DIQ7) U3.D8(P0_D7/TX_D3_P)
7130_RF_D8: U1.N2(RF_DIQ8) U3.E8(P0_D8/TX_D4_N)
7130_RF_D9: U1.N3(RF_DIQ9) U3.D7(P0_D9/TX_D4_P)
7130_RF_D10: U1.N4(RF_DIQ10) U3.F8(P0_D10/TX_D5_N)
7130_RF_D11: U1.N5(RF_DIQ11) U3.E7(P0_D11/TX_D5_P)
7130_RF_ENABLE: U1.T5(RF_ENABLE) U3.G6(ENABLE)
7130_RF_FCLK: U1.T4(RF_FCLK) U3.F10(FB_CLK_P)
7130_RF_MCLK: U1.T1(RF_MCLK) U3.G11(DATA_CLK_P)
7130_RF_RESET: R6.2 R618.1 U1.AJ14(GPIO7)
7130_RF_RXFRAME: U1.R5(RF2_RXFRAME) U3.G8(RX_FRAME_P)
7130_RF_SPI_CLK: U1.AA1(RF_SPI_CLK) U3.J5(SPI_CLK)
7130_RF_SPI_DI: R192.2 U1.Y2(RF_SPI_MOSI) U3.J4(SPI_DI)
7130_RF_SPI_DO: R193.2 U1.Y1(RF_SPI_MISO) U3.L6(SPI_DO)
7130_RF_SPI_EN: R195.2 U1.AA2(RF_SPI_EN) U3.K6(SPI_ENB)
7130_RF_TXFRAME: U1.T2(RF2_TXFRAME) U3.G9(TX_FRAME_P)
7130_RF_TXNRX: R191.2 U1.T3(RF_TXNRX) U3.H4(TXNRX)
7130_RX0: R175.2 R179.2 R180.1 U1.AH25(UART0_SIN)
7130_RX1: U1.AK22(UART1_SIN)
7130_SCL0: R393.2 R558.1 R599.1 R620.1 U1.AJ20(TWS0_SCL)
7130_SCL1: R392.2 U1.AJ21(TWS1_SCL)
7130_SCLK: U1.AK10(SPI_CLK)
7130_SDA0: R152.2 R559.1 R598.1 R619.1 U1.AK21(TWS0_SDA)
7130_SDA1: R153.2 U1.AK20(TWS1_SDA)
7130_SMIO_MDC: R566.2 R595.1
7130_SMIO_MDIO: R565.2 R592.1
7130_SYS_PLL_MUL0: R133.2 R355.1 U1.AH26(SYS_PLL_MUL_0)
7130_SYS_PLL_MUL1: R129.2 R341.1 U1.AJ27(SYS_PLL_MUL_1)
7130_SYS_PLL_MUL2: R139.2 R368.1 U1.AG26(SYS_PLL_MUL_2)
7130_SYS_PLL_MUL3: R125.2 R333.1 U1.AJ28(SYS_PLL_MUL_3)
7130_SYS_PLL_MUL4: R131.2 R353.1 U1.AH27(SYS_PLL_MUL_4)
7130_SYS_PLL_VDD33: C248.1 C249.1 L20.1 U1.AH30(SYS_PLL_VDD33)
7130_TX0: R183.2 R184.1 U1.AJ24(UART0_SOUT)
7130_TX1: U1.AJ22(UART1_SOUT)
7130_TXCO_PWM: C176.1 R238.1 R239.2
7130_USB_DN0: U1.AE30(USB0_DM)
7130_USB_DN1: R120.1
7130_USB_DP0: U1.AE29(USB0_DP)
7130_USB_DP1: R121.1
7130_VDD: C279.1 C280.1 C281.1 C282.1 C287.1 C288.1 C289.1 C290.1 C296.1 C297.1 C298.1 C303.1 C305.1 C306.1 C307.1 C308.1 C312.1 C313.1 C314.1 C315.1 C319.1 C321.1 C322.1 C323.1 C327.1 C328.1 C329.1 C330.1 C334.1 C335.1 C336.1 C337.1 C341.1 C342.1 C343.1 C344.1 C348.1 C349.1 C350.1 C351.1 C354.1 C355.1 C356.1 C357.1 L23.2 L26.2 R71.2 R72.2 U1.AA9(VDD85) U1.AA11(VDD86) U1.AA13(VDD87) U1.AA15(VDD88) U1.AA17(VDD89) U1.AA19(VDD90) U1.AA21(VDD91) U1.AB10(VDD92) U1.AB12(VDD93) U1.AB14(VDD94) U1.AB18(VDD95) U1.AB20(VDD96) U1.AB22(VDD97) U1.J9(VDD1) U1.J11(VDD2) U1.J13(VDD3) U1.J17(VDD4) U1.J19(VDD5) U1.J21(VDD6) U1.K10(VDD7) U1.K12(VDD8) U1.K14(VDD9) U1.K16(VDD10) U1.K18(VDD11) U1.K20(VDD12) U1.K22(VDD13) U1.L9(VDD14) U1.L11(VDD15) U1.L13(VDD16) U1.L15(VDD17) U1.L16(VDD18) U1.L17(VDD19) U1.L19(VDD20) U1.L21(VDD21) U1.M10(VDD22) U1.M12(VDD23) U1.M14(VDD24) U1.M16(VDD25) U1.M18(VDD26) U1.M20(VDD27) U1.M22(VDD28) U1.N9(VDD29) U1.N11(VDD30) U1.N13(VDD31) U1.N15(VDD32) U1.N17(VDD33) U1.N19(VDD34) U1.N21(VDD35) U1.P10(VDD36) U1.P12(VDD37) U1.P14(VDD38) U1.P16(VDD39) U1.P18(VDD40) U1.P20(VDD41) U1.P22(VDD42) U1.R11(VDD43) U1.R13(VDD98) U1.R15(VDD44) U1.R17(VDD45) U1.R19(VDD46) U1.R20(VDD47) U1.R21(VDD48) U1.T10(VDD49) U1.T11(VDD50) U1.T12(VDD51) U1.T14(VDD52) U1.T16(VDD53) U1.T18(VDD54) U1.T20(VDD55) U1.U9(VDD56) U1.U11(VDD57) U1.U13(VDD58) U1.U15(VDD59) U1.U17(VDD60) U1.U19(VDD61) U1.U21(VDD62) U1.V10(VDD63) U1.V12(VDD64) U1.V14(VDD65) U1.V16(VDD66) U1.V18(VDD67) U1.V20(VDD68) U1.V22(VDD69) U1.W9(VDD70) U1.W11(VDD71) U1.W13(VDD72) U1.W15(VDD73) U1.W17(VDD74) U1.W19(VDD75) U1.W21(VDD76) U1.Y10(VDD77) U1.Y12(VDD78) U1.Y14(VDD79) U1.Y15(VDD80) U1.Y16(VDD81) U1.Y18(VDD82) U1.Y20(VDD83) U1.Y22(VDD84)